# KiCad board SparkFun_GNSS_DAN-F10N_panelized.kicad_pcb (continued)
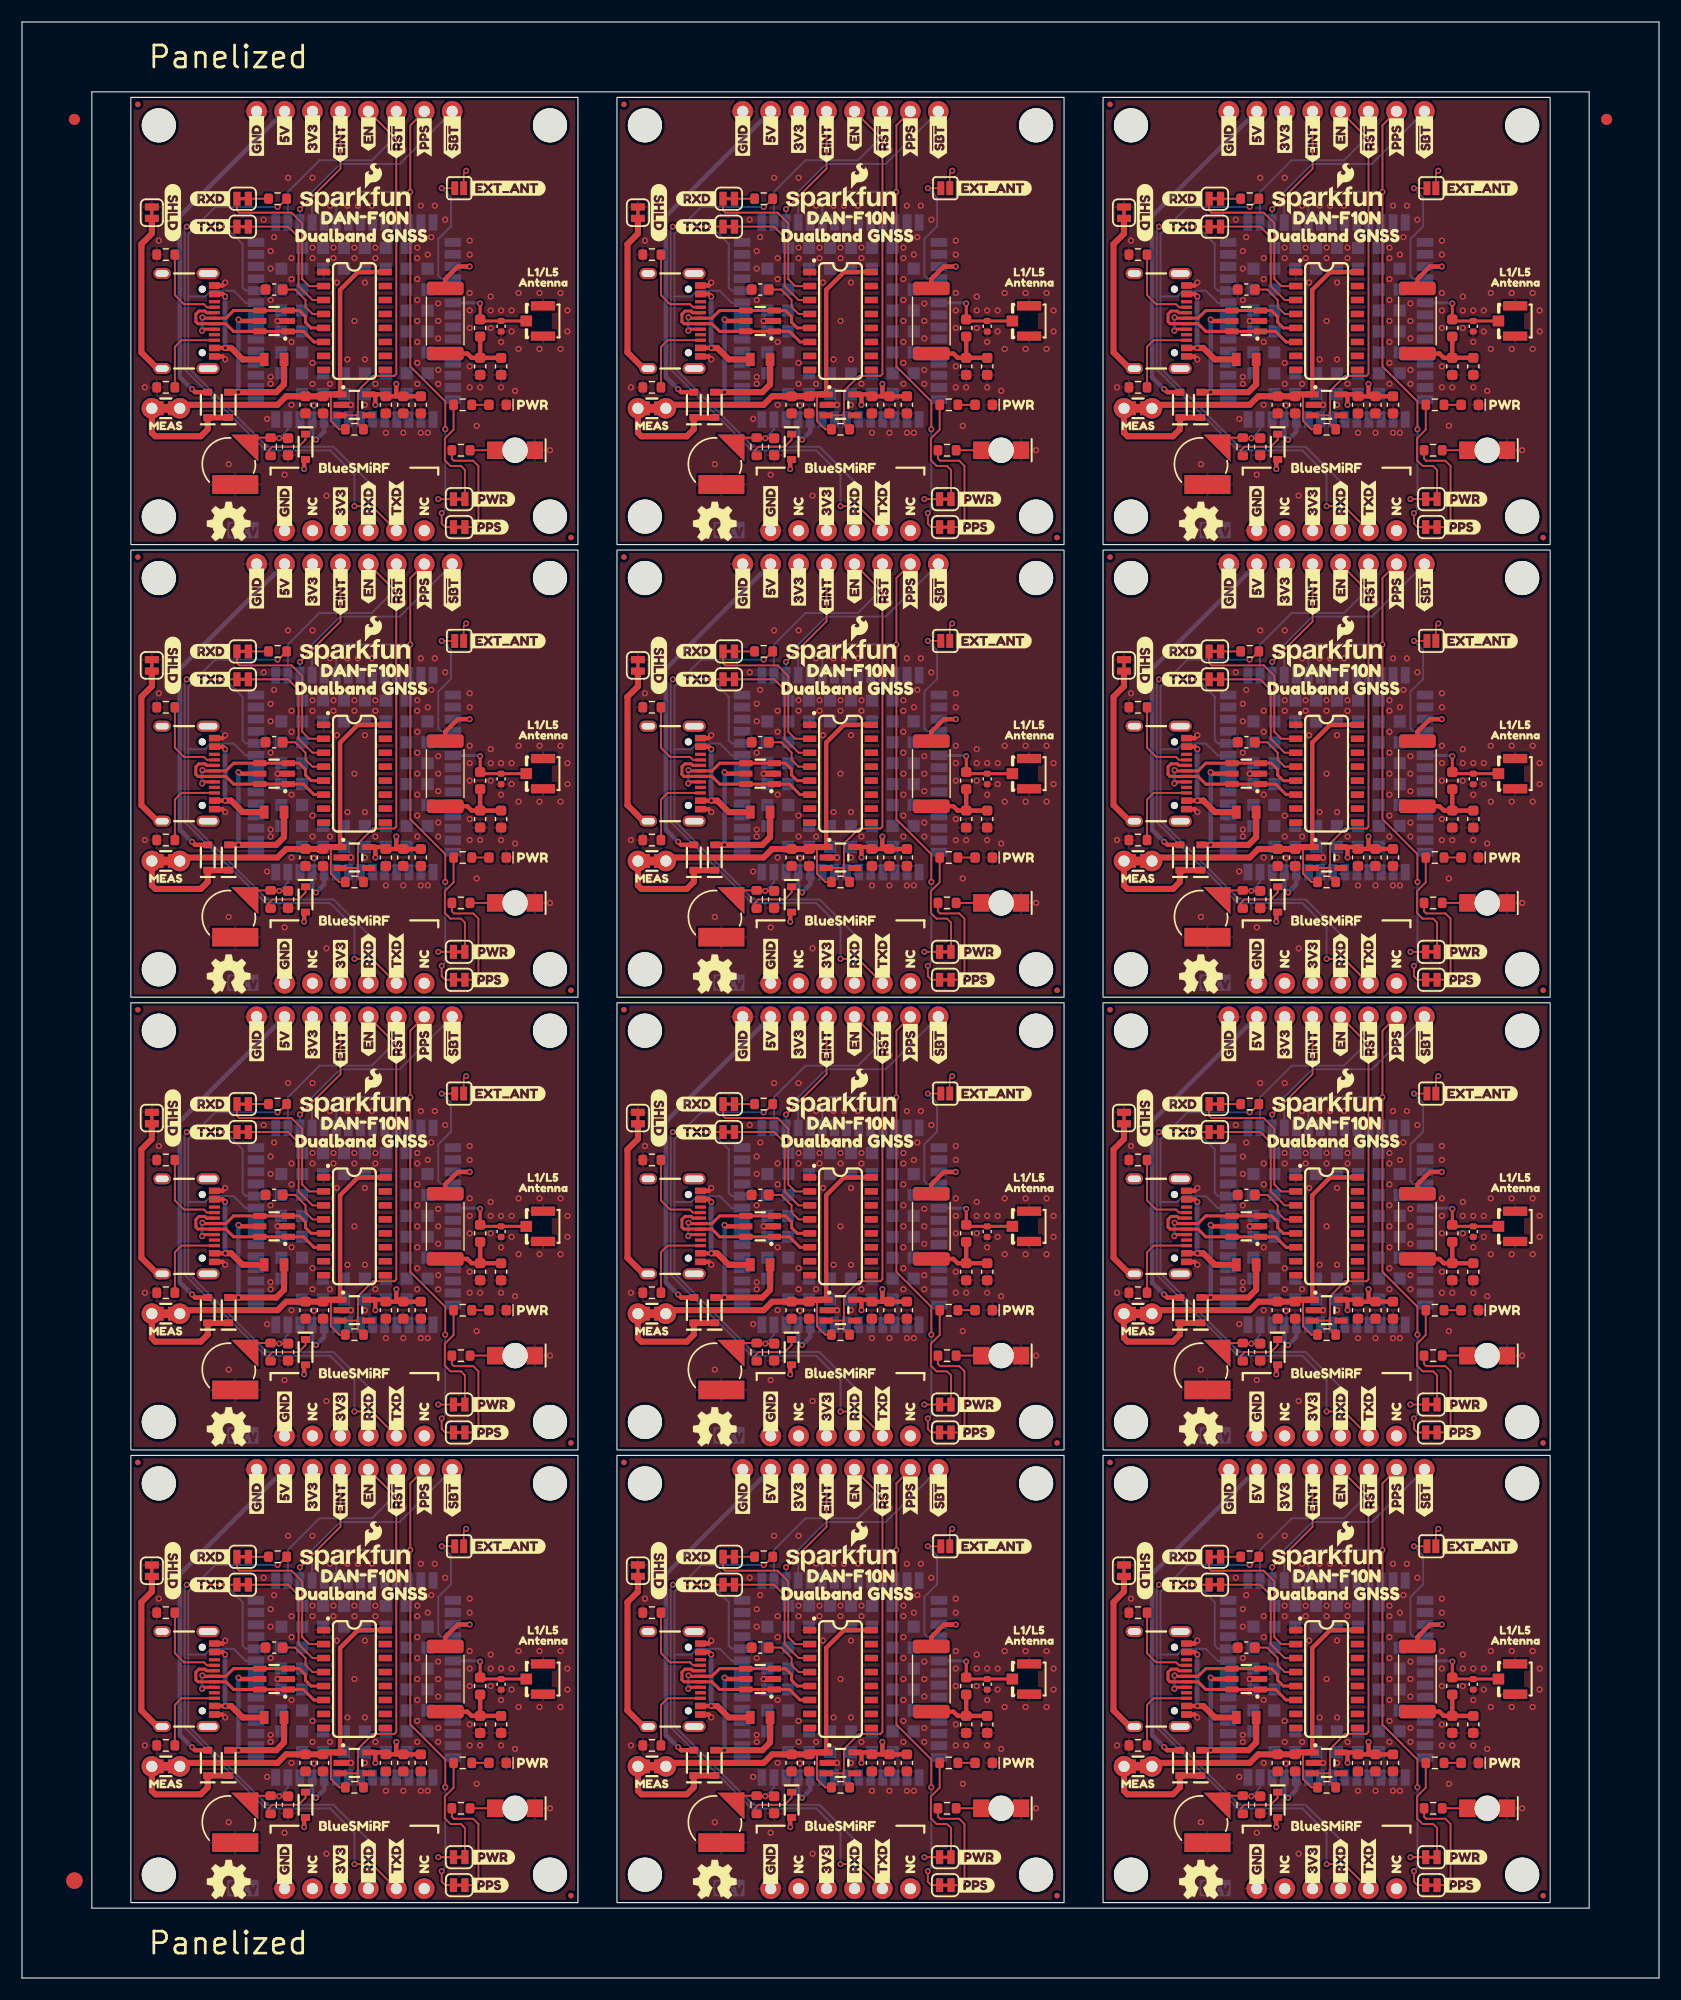
[diagram p0: board, top side]
## Routing (per net, layer and track width the routed paths; a pad name or vN(x,y) marks a point on that pad's centre or on a via; arc(x,y) is an arc through that point) (continued)
Net-(J1-CC2): length 90.3
  Top w0.178: J1#4.B5 58.69,107.7 58.09,107.1 58.09,103.42 ; R1.2 13.9,24.82 14.5,25.42 J1#12.B5 ; R1#9.2 102.27,24.82 102.87,25.42 J1#9.B5 ; R1#2.2 13.9,65.96 14.5,66.56 J1.B5 ; 58.09,62.28 58.09,65.96 58.69,66.56 J1#2.B5 ; J1#10.B5 102.87,66.56 102.27,65.96 R1#10.2 ; R1#12.2 102.27,148.24 102.87,148.84 J1#11.B5 ; J1#7.B5 14.5,148.84 13.9,148.24 R1#3.2 ; J1#8.B5 58.69,25.42 58.09,24.82 58.09,21.14 ; J1#5.B5 58.69,148.84 58.09,148.24 58.09,144.56 ; J1#3.B5 102.87,107.7 102.27,107.1 R1#11.2 ; R1#5.2 13.9,107.1 14.5,107.7 J1#6.B5
Net-(J1-SHIELD): length 180.8
  Top w0.559: J1#2.S 56.5,63.99 55.04,65.45 55.04,75.3 55.99,76.25 JP7#4.2 ; JP7#10.2 100.18,117.39 99.23,116.44 99.23,106.59 100.69,105.13 J1#3.S ; J1.S 12.31,63.99 10.85,65.45 10.85,75.3 11.8,76.25 JP7.2 ; J1#4.S 56.5,105.13 55.04,106.59 55.04,116.44 55.99,117.39 JP7#9.2 ; JP7#7.2 55.99,158.53 55.04,157.57 55.04,147.73 56.5,146.27 J1#5.S ; JP7#12.2 11.8,35.11 10.85,34.16 10.85,24.31 12.31,22.85 J1#12.S ; JP7#5.2 100.18,35.11 99.23,34.16 99.23,24.31 100.69,22.85 J1#9.S ; J1#10.S 100.69,63.99 99.23,65.45 99.23,75.3 100.18,76.25 JP7#2.2 ; J1#7.S 12.31,146.27 10.85,147.73 10.85,157.57 11.8,158.53 JP7#3.2 ; JP7#11.2 100.18,158.53 99.23,157.57 99.23,147.73 100.69,146.27 J1#11.S ; J1#6.S 12.31,105.13 10.85,106.59 10.85,116.44 11.8,117.39 JP7#8.2 ; JP7#6.2 55.99,35.11 55.04,34.16 55.04,24.31 56.5,22.85 J1#8.S
Net-(JP2-A): length 122.6
  Top w0.178: R4#5.2 39.24,58.44 38.44,57.64 38.44,55.65 38.95,55.13 39.9,55.13 40.26,54.77 JP2#3.1 ; JP2#6.1 40.26,95.91 39.9,96.27 38.95,96.27 38.44,96.79 38.44,98.78 39.24,99.58 R4#6.2 ; R4.2 83.42,58.44 82.62,57.64 82.62,55.65 83.14,55.13 84.09,55.13 84.45,54.77 JP2#2.1 ; R4#8.2 127.61,17.3 126.81,16.5 126.81,14.51 127.33,13.99 128.28,13.99 128.64,13.63 JP2#12.1 ; R4#12.2 39.24,17.3 38.44,16.5 38.44,14.51 38.95,13.99 39.9,13.99 40.26,13.63 JP2.1 ; JP2#4.1 40.26,137.05 39.9,137.41 38.95,137.41 38.44,137.93 38.44,139.92 39.24,140.72 R4#3.2 ; R4#10.2 127.61,58.44 126.81,57.64 126.81,55.65 127.33,55.13 128.28,55.13 128.64,54.77 JP2#8.1 ; JP2#10.1 128.64,137.05 128.28,137.41 127.33,137.41 126.81,137.93 126.81,139.92 127.61,140.72 R4#11.2 ; R4#2.2 83.42,140.72 82.62,139.92 82.62,137.93 83.14,137.41 84.09,137.41 84.45,137.05 JP2#9.1 ; R4#9.2 127.61,99.58 126.81,98.78 126.81,96.79 127.33,96.27 128.28,96.27 128.64,95.91 JP2#7.1 ; JP2#5.1 84.45,13.63 84.09,13.99 83.14,13.99 82.62,14.51 82.62,16.5 83.42,17.3 R4#4.2 ; JP2#11.1 84.45,95.91 84.09,96.27 83.14,96.27 82.62,96.79 82.62,98.78 83.42,99.58 R4#7.2
Net-(JP3-A): length 120.6
  Top w0.178: R5#11.2 127.45,55.8 127.64,55.61 129.39,55.61 129.87,55.13 129.87,49.89 129.55,49.58 JP3#3.1 ; JP3#2.1 129.55,8.44 129.87,8.76 129.87,13.99 129.39,14.47 127.64,14.47 127.45,14.66 R5#7.2 ; R5#3.2 83.26,14.66 83.45,14.47 85.2,14.47 85.68,13.99 85.68,8.76 85.36,8.44 JP3#9.1 ; JP3#7.1 85.36,90.72 85.68,91.03 85.68,96.27 85.2,96.75 83.45,96.75 83.26,96.94 R5#6.2 ; JP3#5.1 129.55,90.72 129.87,91.03 129.87,96.27 129.39,96.75 127.64,96.75 127.45,96.94 R5#10.2 ; R5#2.2 39.08,138.08 39.27,137.89 41.01,137.89 41.49,137.41 41.49,132.18 41.17,131.86 JP3#11.1 ; R5#12.2 39.08,14.66 39.27,14.47 41.01,14.47 41.49,13.99 41.49,8.76 41.17,8.44 JP3.1 ; R5.2 39.08,96.94 39.27,96.75 41.01,96.75 41.49,96.27 41.49,91.03 41.17,90.72 JP3#12.1 ; JP3#6.1 129.55,131.86 129.87,132.18 129.87,137.41 129.39,137.89 127.64,137.89 127.45,138.08 R5#9.2 ; JP3#4.1 85.36,131.86 85.68,132.18 85.68,137.41 85.2,137.89 83.45,137.89 83.26,138.08 R5#8.2 ; R5#5.2 83.26,55.8 83.45,55.61 85.2,55.61 85.68,55.13 85.68,49.89 85.36,49.58 JP3#8.1 ; R5#4.2 39.08,55.8 39.27,55.61 41.01,55.61 41.49,55.13 41.49,49.89 41.17,49.58 JP3#10.1
Net-(JP9-A): length 177.1
  Top w0.178: U4#8.2 70.29,71.48 69.66,72.12 69.66,77.19 68.69,78.15 63.93,78.15 63.73,78.36 JP9#6.1 ; JP9#9.1 63.73,160.64 63.93,160.43 68.69,160.43 69.66,159.47 69.66,154.4 70.29,153.77 U4#3.2 ; 27.42,30.34 26.1,30.34 25.47,30.98 25.47,36.05 24.5,37.01 19.74,37.01 19.54,37.22 JP9.1 ; 115.79,153.77 114.48,153.77 113.84,154.4 113.84,159.47 112.88,160.43 108.12,160.43 107.91,160.64 JP9#12.1 ; JP9#4.1 107.91,37.22 108.12,37.01 112.88,37.01 113.84,36.05 113.84,30.98 114.48,30.34 115.79,30.34 ; 27.42,153.77 26.1,153.77 25.47,154.4 25.47,159.47 24.5,160.43 19.74,160.43 19.54,160.64 JP9#3.1 ; JP9#7.1 63.73,119.5 63.93,119.29 68.69,119.29 69.66,118.33 69.66,113.26 70.29,112.62 U4#7.2 ; JP9#2.1 19.54,119.5 19.74,119.29 24.5,119.29 25.47,118.33 25.47,113.26 26.1,112.62 27.42,112.62 ; JP9#10.1 107.91,119.5 108.12,119.29 112.88,119.29 113.84,118.33 113.84,113.26 114.48,112.62 115.79,112.62 ; JP9#5.1 19.54,78.36 19.74,78.15 24.5,78.15 25.47,77.19 25.47,72.12 26.1,71.48 27.42,71.48 ; 115.79,71.48 114.48,71.48 113.84,72.12 113.84,77.19 112.88,78.15 108.12,78.15 107.91,78.36 JP9#11.1 ; U4#6.2 70.29,30.34 69.66,30.98 69.66,36.05 68.69,37.01 63.93,37.01 63.73,37.22 JP9#8.1
Net-(JP9-B): length 22
  Top w0.178: JP9#2.2 22.41,120.56 ; JP9#11.2 110.78,79.42 ; JP9#8.2 R3#11.2 ; JP9#7.2 R3#10.2 ; JP9#10.2 110.78,120.56 ; JP9#3.2 22.41,161.7 ; JP9#9.2 R3#9.2 ; JP9#5.2 22.41,79.42 ; JP9#12.2 110.78,161.7 ; JP9#6.2 R3#8.2 ; JP9#4.2 110.78,38.28 ; JP9.2 22.41,38.28
Net-(JP10-A): length 146.5
  Top w0.178: JP10#10.1 68.37,76.88 69.33,75.93 69.33,71.48 70.6,70.22 U4#8.3 ; U4#6.3 70.6,29.08 69.33,30.34 69.33,34.79 68.37,35.74 JP10#3.1 ; 115.79,111.36 114.78,111.36 113.51,112.62 113.51,117.07 112.56,118.02 JP10#11.1 ; 27.42,29.08 26.41,29.08 25.14,30.34 25.14,34.79 24.19,35.74 JP10.1 ; JP10#8.1 68.37,159.16 69.33,158.21 69.33,153.77 70.6,152.5 U4#3.3 ; 27.42,111.36 26.41,111.36 25.14,112.62 25.14,117.07 24.19,118.02 JP10#9.1 ; JP10#12.1 112.56,159.16 113.51,158.21 113.51,153.77 114.78,152.5 115.79,152.5 ; 27.42,70.22 26.41,70.22 25.14,71.48 25.14,75.93 24.19,76.88 JP10#2.1 ; 27.42,152.5 26.41,152.5 25.14,153.77 25.14,158.21 24.19,159.16 JP10#4.1 ; U4#7.3 70.6,111.36 69.33,112.62 69.33,117.07 68.37,118.02 JP10#6.1 ; JP10#5.1 112.56,76.88 113.51,75.93 113.51,71.48 114.78,70.22 115.79,70.22 ; 115.79,29.08 114.78,29.08 113.51,30.34 113.51,34.79 112.56,35.74 JP10#7.1
Net-(U1-I/O1): length 179.1
  Top w0.278: 105.01,151.49 104.46,151.49 104.18,151.21 104.18,150.53 104.37,150.34 J1#11.A7 106.91,150.34 107.61,149.64 113.96,149.64 114.91,148.69 115.79,148.69 ; 115.79,107.55 114.91,107.55 113.96,108.5 107.61,108.5 106.91,109.2 J1#3.A7 104.37,109.2 104.18,109.39 104.18,110.07 104.46,110.35 105.01,110.35 ; 27.42,25.27 26.53,25.27 25.58,26.22 19.23,26.22 18.53,26.92 J1#12.A7 15.99,26.92 15.8,27.11 15.8,27.79 16.08,28.07 16.64,28.07 ; 16.64,69.21 16.08,69.21 15.8,68.93 15.8,68.25 15.99,68.06 J1.A7 18.53,68.06 19.23,67.36 25.58,67.36 26.53,66.41 27.42,66.41 ; U4#3.6 70.72,148.69 69.77,149.64 63.42,149.64 62.72,150.34 J1#5.A7 60.18,150.34 59.99,150.53 59.99,151.21 60.27,151.49 60.83,151.49 ; 60.83,110.35 60.27,110.35 59.99,110.07 59.99,109.39 60.18,109.2 J1#4.A7 62.72,109.2 63.42,108.5 69.77,108.5 70.72,107.55 U4#7.6 ; J1#6.B7 16.79,110.2 ; 60.83,28.07 60.27,28.07 59.99,27.79 59.99,27.11 60.18,26.92 J1#8.A7 62.72,26.92 63.42,26.22 69.77,26.22 70.72,25.27 U4#6.6 ; 16.64,110.35 16.08,110.35 15.8,110.07 15.8,109.39 15.99,109.2 J1#6.A7 18.53,109.2 19.23,108.5 25.58,108.5 26.53,107.55 27.42,107.55 ; 115.79,66.41 114.91,66.41 113.96,67.36 107.61,67.36 106.91,68.06 J1#10.A7 104.37,68.06 104.18,68.25 104.18,68.93 104.46,69.21 105.01,69.21 ; J1#3.B7 105.16,110.2 ; J1#10.B7 105.16,69.06 ; J1#7.B7 16.79,151.34 ; J1#8.B7 60.97,27.92 ; J1#11.B7 105.16,151.34 ; 115.79,25.27 114.91,25.27 113.96,26.22 107.61,26.22 106.91,26.92 J1#9.A7 104.37,26.92 104.18,27.11 104.18,27.79 104.46,28.07 105.01,28.07 ; J1#4.B7 60.97,110.2 ; J1#2.B7 60.97,69.06 ; 60.83,69.21 60.27,69.21 59.99,68.93 59.99,68.25 60.18,68.06 J1#2.A7 62.72,68.06 63.42,67.36 69.77,67.36 70.72,66.41 U4#8.6 ; 16.64,151.49 16.08,151.49 15.8,151.21 15.8,150.53 15.99,150.34 J1#7.A7 18.53,150.34 19.23,149.64 25.58,149.64 26.53,148.69 27.42,148.69 ; J1.B7 16.79,69.06 ; J1#9.B7 105.16,27.92 ; J1#12.B7 16.79,27.92 ; J1#5.B7 60.97,151.34
  Top w0.282: 16.79,110.2 16.64,110.35 ; 105.16,27.92 105.01,28.07 ; 60.97,69.06 60.83,69.21 ; 60.97,27.92 60.83,28.07 ; 60.97,110.2 60.83,110.35 ; 105.16,110.2 105.01,110.35 ; 105.16,69.06 105.01,69.21 ; 105.16,151.34 105.01,151.49 ; 16.79,69.06 16.64,69.21 ; 16.79,27.92 16.64,28.07 ; 16.79,151.34 16.64,151.49 ; 60.97,151.34 60.83,151.49
Net-(U1-I/O2): length 176.3
  Top w0.278: J1#9.B6 104.89,26.42 ; J1#4.B6 60.7,108.7 ; 115.79,26.53 114.66,26.53 114.15,27.04 114.15,27.55 113.58,28.12 107.61,28.12 106.91,27.42 J1#9.A6 104.85,27.42 ; 115.79,67.68 114.66,67.68 114.15,68.18 114.15,68.69 113.58,69.26 107.61,69.26 106.91,68.56 J1#10.A6 104.85,68.56 ; 16.47,109.7 J1#6.A6 18.53,109.7 19.23,110.4 25.2,110.4 25.77,109.83 25.77,109.32 26.28,108.81 27.42,108.81 ; J1.B6 16.51,67.56 ; 104.85,109.7 J1#3.A6 106.91,109.7 107.61,110.4 113.58,110.4 114.15,109.83 114.15,109.32 114.66,108.81 115.79,108.81 ; 104.85,150.84 J1#11.A6 106.91,150.84 107.61,151.54 113.58,151.54 114.15,150.97 114.15,150.46 114.66,149.96 115.79,149.96 ; 27.42,149.96 26.28,149.96 25.77,150.46 25.77,150.97 25.2,151.54 19.23,151.54 18.53,150.84 J1#7.A6 16.47,150.84 ; 16.47,27.42 J1#12.A6 18.53,27.42 19.23,28.12 25.2,28.12 25.77,27.55 25.77,27.04 26.28,26.53 27.42,26.53 ; 60.66,68.56 J1#2.A6 62.72,68.56 63.42,69.26 69.39,69.26 69.96,68.69 69.96,68.18 70.47,67.68 U4#8.5 ; 60.66,109.7 J1#4.A6 62.72,109.7 63.42,110.4 69.39,110.4 69.96,109.83 69.96,109.32 70.47,108.81 U4#7.5 ; 16.47,68.56 J1.A6 18.53,68.56 19.23,69.26 25.2,69.26 25.77,68.69 25.77,68.18 26.28,67.68 27.42,67.68 ; 60.66,150.84 J1#5.A6 62.72,150.84 63.42,151.54 69.39,151.54 69.96,150.97 69.96,150.46 70.47,149.96 U4#3.5 ; J1#6.B6 16.51,108.7 ; 60.66,27.42 J1#8.A6 62.72,27.42 63.42,28.12 69.39,28.12 69.96,27.55 69.96,27.04 70.47,26.53 U4#6.5 ; J1#3.B6 104.89,108.7 ; J1#8.B6 60.7,26.42 ; J1#11.B6 104.89,149.84 ; J1#5.B6 60.7,149.84 ; J1#10.B6 104.89,67.56 ; J1#7.B6 16.51,149.84 ; J1#2.B6 60.7,67.56 ; J1#12.B6 16.51,26.42
  Top w0.282: 104.89,67.56 v1(104.75,67.42) ; v1(60.59,150.91) 60.66,150.84 ; 16.51,108.7 v1(16.38,108.56) ; v1(60.59,68.63) 60.66,68.56 ; 16.51,67.56 v1(16.38,67.42) ; v1(16.4,27.49) 16.47,27.42 ; v1(16.4,109.77) 16.47,109.7 ; v1(60.59,109.77) 60.66,109.7 ; v1(60.59,27.49) 60.66,27.42 ; v1(104.78,150.91) 104.85,150.84 ; v1(16.4,68.63) 16.47,68.56 ; 104.89,26.42 v1(104.75,26.28) ; v1(104.78,68.63) 104.85,68.56 ; v1(16.4,150.91) 16.47,150.84 ; 60.7,67.56 v1(60.56,67.42) ; 60.7,108.7 v1(60.56,108.56) ; 16.51,26.42 v1(16.38,26.28) ; 60.7,26.42 v1(60.56,26.28) ; 16.51,149.84 v1(16.38,149.7) ; 104.89,108.7 v1(104.75,108.56) ; 104.89,149.84 v1(104.75,149.7) ; 60.7,149.84 v1(60.56,149.7) ; v1(104.78,109.77) 104.85,109.7 ; v1(104.78,27.49) 104.85,27.42
  Bottom w0.278: 16.38,68.61 v1(16.38,67.42) ; 104.75,150.89 v1(104.75,149.7) ; 16.38,109.75 v1(16.38,108.56) ; 60.56,150.89 v1(60.56,149.7) ; 60.56,68.61 v1(60.56,67.42) ; 104.75,68.61 v1(104.75,67.42) ; 16.38,150.89 v1(16.38,149.7) ; 104.75,109.75 v1(104.75,108.56) ; 60.56,27.47 v1(60.56,26.28) ; 16.38,27.47 v1(16.38,26.28) ; 60.56,109.75 v1(60.56,108.56) ; 104.75,27.47 v1(104.75,26.28)
  Bottom w0.282: v1(104.78,68.63) 104.75,68.61 ; v1(104.78,27.49) 104.75,27.47 ; v1(60.59,27.49) 60.56,27.47 ; v1(16.4,150.91) 16.38,150.89 ; v1(104.78,109.77) 104.75,109.75 ; v1(16.4,27.49) 16.38,27.47 ; v1(60.59,68.63) 60.56,68.61 ; v1(60.59,109.77) 60.56,109.75 ; v1(60.59,150.91) 60.56,150.89 ; v1(16.4,109.77) 16.38,109.75 ; v1(16.4,68.63) 16.38,68.61 ; v1(104.78,150.91) 104.75,150.89
Net-(U4-V3): length 60.2
  Top w0.178: C10#9.2 69.01,153.45 69.96,152.5 69.96,151.86 70.6,151.22 U4#3.4 ; C10#3.2 69.01,112.31 69.96,111.36 69.96,110.72 70.6,110.09 U4#7.4 ; C10.2 24.82,30.03 25.77,29.08 25.77,28.44 26.41,27.81 27.42,27.81 ; C10#6.2 24.82,112.31 25.77,111.36 25.77,110.72 26.41,110.09 27.42,110.09 ; C10#4.2 24.82,71.17 25.77,70.22 25.77,69.58 26.41,68.94 27.42,68.94 ; C10#11.2 113.2,71.17 114.15,70.22 114.15,69.58 114.78,68.94 115.79,68.94 ; U4#8.4 70.6,68.94 69.96,69.58 69.96,70.22 69.01,71.17 C10#7.2 ; 115.79,151.22 114.78,151.22 114.15,151.86 114.15,152.5 113.2,153.45 C10#8.2 ; C10#5.2 69.01,30.03 69.96,29.08 69.96,28.44 70.6,27.81 U4#6.4 ; C10#12.2 113.2,112.31 114.15,111.36 114.15,110.72 114.78,110.09 115.79,110.09 ; 115.79,27.81 114.78,27.81 114.15,28.44 114.15,29.08 113.2,30.03 C10#10.2 ; C10#2.2 24.82,153.45 25.77,152.5 25.77,151.86 26.41,151.22 27.42,151.22

## Copper pours and planes (outline as drawn; the poured copper is in the pictures)
3.3V on In2.Cu: 9.9,6.85 9.9,47.49 50.54,47.49 50.54,6.85
3.3V on In2.Cu: 98.27,47.99 98.27,88.63 138.91,88.63 138.91,47.99
3.3V on In2.Cu: 54.09,47.99 54.09,88.63 94.73,88.63 94.73,47.99
3.3V on In2.Cu: 54.09,6.85 54.09,47.49 94.73,47.49 94.73,6.85
3.3V on In2.Cu: 98.27,89.13 98.27,129.77 138.91,129.77 138.91,89.13
3.3V on In2.Cu: 9.9,89.13 9.9,129.77 50.54,129.77 50.54,89.13
3.3V on In2.Cu: 9.9,47.99 9.9,88.63 50.54,88.63 50.54,47.99
3.3V on In2.Cu: 54.09,89.13 54.09,129.77 94.73,129.77 94.73,89.13
3.3V on In2.Cu: 9.9,130.27 9.9,170.91 50.54,170.91 50.54,130.27
3.3V on In2.Cu: 54.09,130.27 54.09,170.91 94.73,170.91 94.73,130.27
3.3V on In2.Cu: 98.27,6.85 98.27,47.49 138.91,47.49 138.91,6.85
3.3V on In2.Cu: 98.27,130.27 98.27,170.91 138.91,170.91 138.91,130.27
GND on Top, Bottom, In1.Cu: 54.09,89.13 54.09,129.77 94.73,129.77 94.73,89.13
GND on Top, Bottom, In1.Cu: 54.09,47.99 54.09,88.63 94.73,88.63 94.73,47.99
GND on Top, Bottom, In1.Cu: 98.27,6.85 98.27,47.49 138.91,47.49 138.91,6.85
GND on Top, Bottom, In1.Cu: 9.9,47.99 9.9,88.63 50.54,88.63 50.54,47.99
GND on Top, Bottom, In1.Cu: 98.27,89.13 98.27,129.77 138.91,129.77 138.91,89.13
GND on Top, Bottom, In1.Cu: 54.09,130.27 54.09,170.91 94.73,170.91 94.73,130.27
GND on Top, Bottom, In1.Cu: 9.9,130.27 9.9,170.91 50.54,170.91 50.54,130.27
GND on Top, Bottom, In1.Cu: 9.9,89.13 9.9,129.77 50.54,129.77 50.54,89.13
GND on Top, Bottom, In1.Cu: 98.27,130.27 98.27,170.91 138.91,170.91 138.91,130.27
GND on Top, Bottom, In1.Cu: 98.27,47.99 98.27,88.63 138.91,88.63 138.91,47.99
GND on Top, Bottom, In1.Cu: 54.09,6.85 54.09,47.49 94.73,47.49 94.73,6.85
GND on Top, Bottom, In1.Cu: 9.9,6.85 9.9,47.49 50.54,47.49 50.54,6.85

## Text on the board
Bottom: v10
V-score: V-SCORE | ROUTE OUT
Fab.Info: Layers: 4 | Solder Mask: Red | Silkscreen Color: White | Thickness: 1.6mm | Finish: HASL Lead-Free | Material: TG135 | No Clean Process | Outer Copper Weight: 1oz | Inner Copper Weight: 0.5oz | Ordering Notes
F.Silkscreen: Panelized
